# KiCad board jetson-agx-thor-baseboard.kicad_pcb (continued)
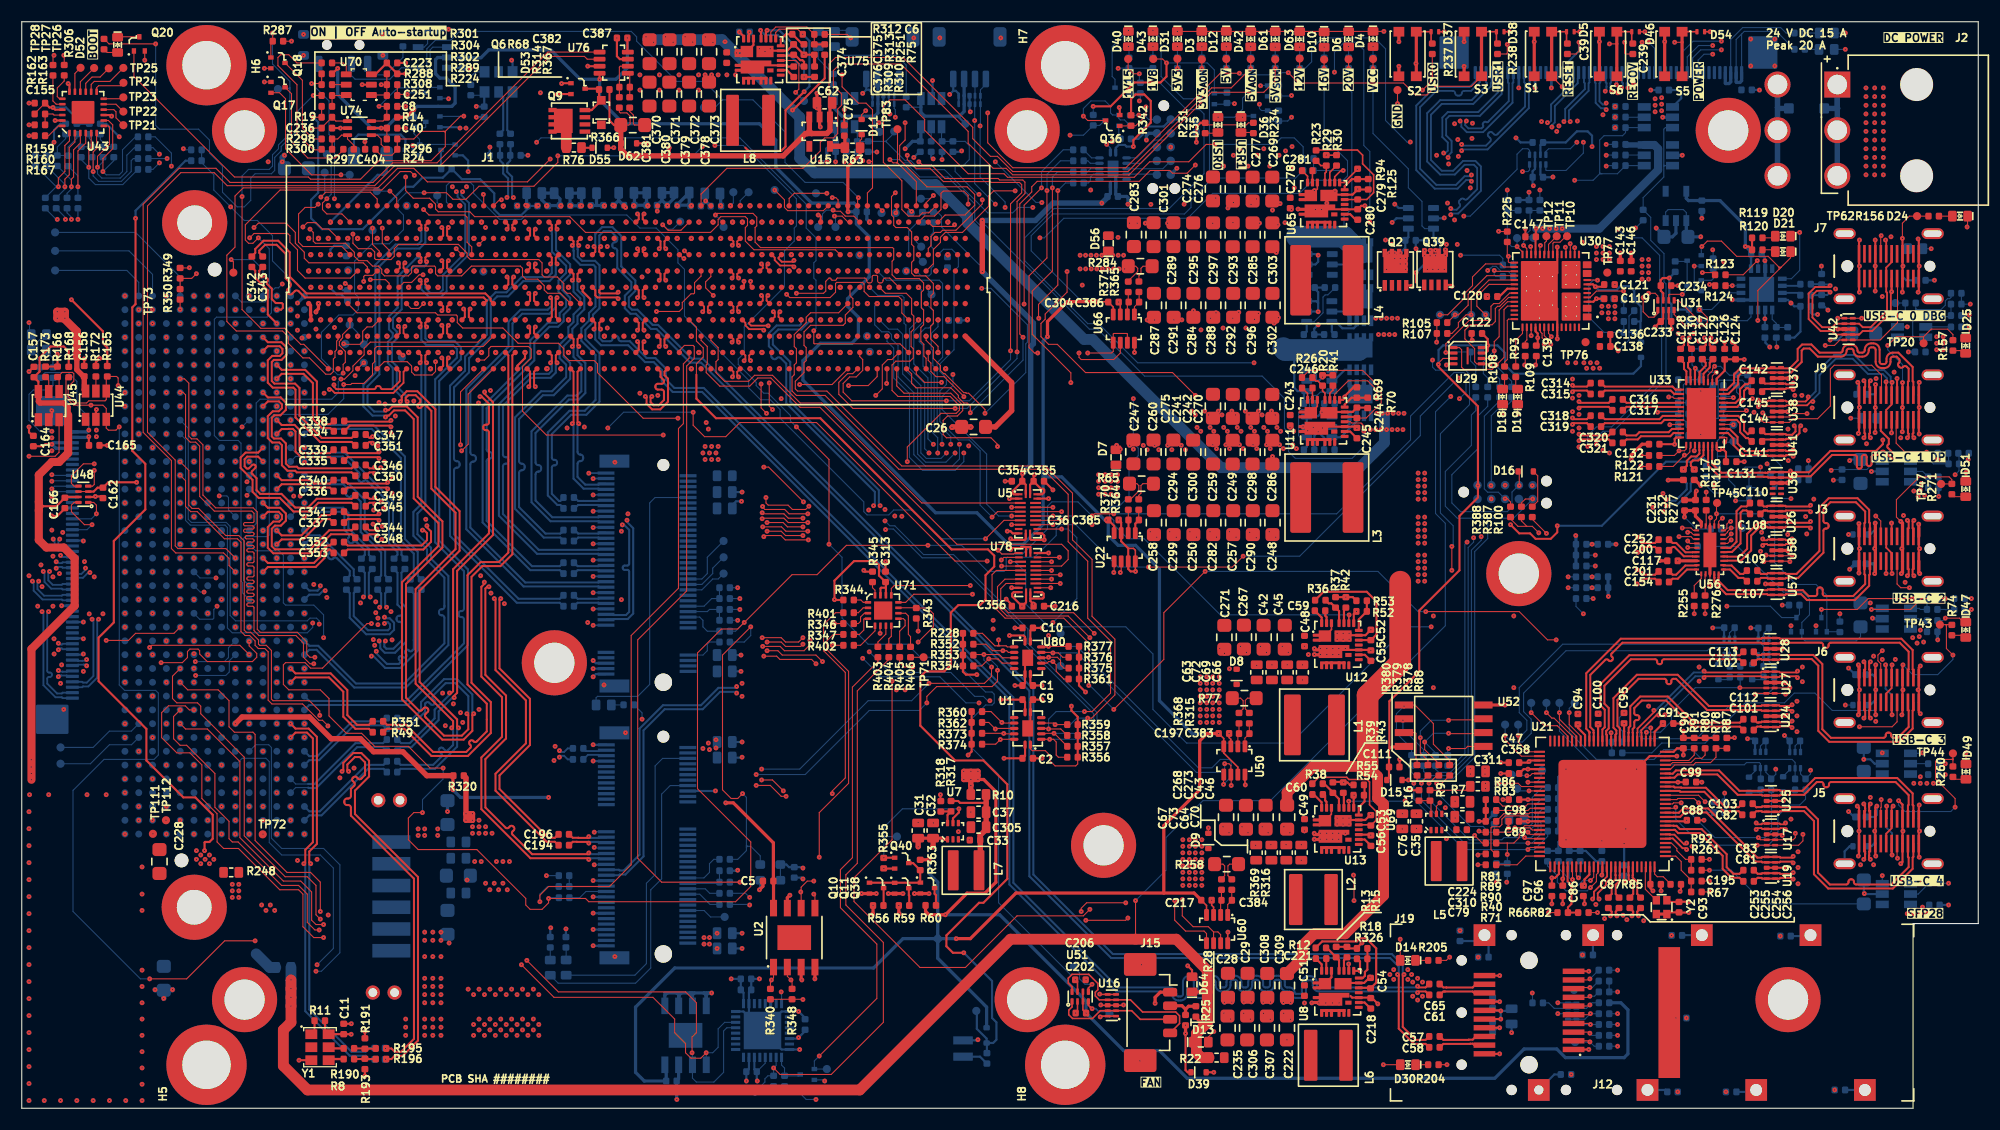
[diagram p0: board, top side]
## Routing (per net, layer and track width the routed paths; a pad name or vN(x,y) marks a point on that pad's centre or on a via; arc(x,y) is an arc through that point) (continued)
/SFP/SFI_CONN_RX_P: length 4.2
  Top w0.19: 134.45,10.53 133.7,10.53 133.49,10.75 130.93,10.75 130.92,10.75 130.79,10.75 130.47,10.44
/SFP/SFI_CONN_TX_N: length 4.2
  Top w0.19: C58.1 130.47,5.61 130.79,5.93 133.25,5.93 133.27,5.95 133.49,5.95 133.7,5.73 134.45,5.73
/SFP/SFI_CONN_TX_P: length 4.2
  Top w0.19: 134.45,6.53 133.7,6.53 133.49,6.31 133.13,6.31 133.11,6.3 130.79,6.3 130.47,6.61 C57.1
/SFP/SFP_LEDG: length 63.6
  Top w0.1: R205.1 131.07,13.61 v1(131.37,13.91) ; v1(98.27,43.31) 96.27,45.31 90.65,45.31 89.77,46.19 89.77,48.01 90.46,48.7 91.89,48.7
  In7.Cu w0.1: v1(98.27,43.31) 107.92,33.66 111.12,33.66 115.77,29.01 115.77,23.41 118.57,20.61 124.67,20.61 v1(131.37,13.91)
/SFP/SFP_LEDY: length 86.5
  Top w0.1: 91.89,48.3 90.56,48.3 90.07,47.81 90.07,46.31 90.77,45.61 96.77,45.61 v1(98.67,43.71) ; R204.1 v1(131.12,4.01)
  In7.Cu w0.1: v1(98.67,43.71) 108.3,34.08 112,34.08 117.07,29.01 117.07,22.8 118.96,20.91 125.77,20.91 132.27,14.41 134.87,14.41 137.67,11.61 139.57,11.61 140.17,11.01 140.17,7.71 138.37,5.91 133.02,5.91 v1(131.12,4.01)
/SFP/SFP_MOD_ABS: length 7.1
  Top w0.1: J12.6 144.17,9.41 v1(144.27,9.51)
  Bottom w0.1: R197.1 144.47,9.71 v1(144.27,9.51) 143.96,9.2 U73.4 140.98,9.2 140.48,9.7 R187.2
/SFP/SH: length 18.4
  Bottom w0.2: J19.SH 164.48,15.85 C178.2 ; J19.SH 140.99,3.11 C173.2 ; C176.2 134.95,15.56 J19.SH 134.02,15.39 C169.2 ; J19.SH 151.21,1.69 C175.2 ; J19.SH 152.77,15.94 C174.2 ; R200.2 159.39,1.51 J19.SH ; C179.2 J19.SH ; C177.2 144.55,15.92 J19.SH
  vias: v1(152.19,8.31)
/SoM_IO2/C2_CLK+: length 1.4
  Top w0.22: Y1.4 28.35,4.53 R8.1
/SoM_IO2/C2_CLK-: length 1.4
  Top w0.22: R190.1 28.35,5.51 Y1.5
/SoM_IO2/C2_REFCLK+: length 2
  Top w0.19: R196.1 31.6,4.53 R193.2 31.54,4.53 R8.2
/SoM_IO2/C2_REFCLK-: length 2
  Top w0.19: R190.2 31.54,5.51 R191.2 32.55,5.48 R195.1
/SoM_IO2/DP0.AUX+: length 3.2
  Top w0.19: U33.24 154.33,60.59 154.35,60.57 154.35,60.25 154.09,60 153.59,60 153.19,59.59 153.19,59.13 152.87,58.82 R117.1
  Bottom w0.19: C322.2 v1(152.87,58.81)
/SoM_IO2/DP0.AUX-: length 3.2
  Top w0.19: R116.1 153.87,58.82 153.56,59.13 153.56,59.44 153.75,59.63 154.25,59.63 154.72,60.1 154.72,60.57 154.74,60.59 U33.25
  Bottom w0.19: C323.2 v1(153.87,58.81)
/SoM_IO2/DP0.AUX_C+: length 93.4
  Top w0.19: J1.G53 v1(75.99,77.06)
  In7.Cu w0.15: v1(151.29,56.04) 151.46,55.87 151.76,55.87 152.16,56.27 152.16,56.43 arc(152.12,56.52) 152.03,56.56 151.75,56.56 arc(151.66,56.6) 151.62,56.69 151.62,56.75 arc(151.66,56.84) 151.75,56.88 152.03,56.88 arc(152.12,56.92) 152.16,57.01 152.16,57.13 arc(152.13,57.2) 152.05,57.23 arc(151.98,57.26) 151.95,57.34 151.95,57.45 arc(151.98,57.53) 152.05,57.56 arc(152.13,57.59) 152.16,57.66 152.16,57.8 147.28,62.68 147.28,63.3 142.91,67.67 90.76,67.67 89.48,68.95 89.48,71.05 86.61,73.92 85.31,73.92 84.66,74.57 77.51,74.57 77.03,75.05 77.03,75.55 76.31,76.28 76.31,76.75 v1(75.99,77.06)
  Bottom w0.19: C322.1 153.18,57.51 153.18,56.96 152.14,55.92 151.41,55.92 v1(151.29,56.04)
/SoM_IO2/DP0.AUX_C-: length 93.4
  Top w0.19: J1.G54 v1(76.89,77.06)
  In7.Cu w0.15: v1(151.29,55.44) 151.46,55.6 151.88,55.6 152.43,56.15 152.43,57.92 147.56,62.79 147.56,63.42 143.03,67.95 90.88,67.95 89.76,69.07 89.76,71.17 86.73,74.2 85.43,74.2 84.78,74.85 77.63,74.85 77.31,75.17 77.31,75.67 76.58,76.39 76.58,76.75 v1(76.89,77.06)
  Bottom w0.19: C323.1 153.55,57.51 153.55,56.8 152.3,55.55 151.41,55.55 v1(151.29,55.44)
/SoM_IO2/DP0.HPD: length 123.4
  Top w0.19: v1(73.27,82.21) 73.37,82.21 73.5,82.08 J1.K50 ; v1(136.97,53.71) 137.77,52.91 138.77,52.91 139.27,52.41 140.67,52.41 141.27,53.01 v1(141.27,53.61)
  In5.Cu w0.1: v1(136.97,53.71) 136.17,53.71 133.67,51.21 132.57,51.21 132.27,51.51 132.27,55.21 131.57,55.91 131.57,64.71 126.87,69.41 126.87,72.11 127.17,72.41 127.17,72.91 125.37,74.71 96.27,74.71 95.57,75.41 95.57,80.91 94.02,82.46 92.72,82.46 90.29,84.89 79.84,84.89 77.47,82.51 77.47,80.91 77.77,80.61 77.77,78.51 77.37,78.11 75.47,78.11 73.27,80.31 v1(73.27,82.21)
  Bottom w0.19: R118.1 154.97,59.61 154.77,59.81 153.97,59.81 153.67,59.51 151.27,59.51 145.37,53.61 v1(141.27,53.61)
/SoM_IO2/DP0.TX0+: length 7.6
  Top w0.19: U33.9 152.19,66.14 152.17,66.12 152.17,66.12 151.87,66.42 145.64,66.42 145.32,66.74 C314.1
/SoM_IO2/DP0.TX0-: length 7.6
  Top w0.19: U33.10 152.19,65.74 152.17,65.75 152.01,65.75 151.71,66.05 145.64,66.05 145.32,65.74 C315.1
/SoM_IO2/DP0.TX0_C+: length 80.4
  Top w0.19: C314.2 144.31,66.74 144,66.42 142.78,66.42 v1(142.67,66.54)
  In7.Cu w0.15: v1(74.4,72.56) 74.71,72.87 74.71,73.05 75.11,73.45 85.58,73.45 87.51,71.52 87.51,68.57 89.7,66.38 134.16,66.38 arc(134.46,66.25) 134.58,65.96 134.58,65.75 arc(134.62,65.65) 134.72,65.61 134.86,65.61 arc(134.96,65.65) 135,65.75 135,66.77 arc(135.13,67.07) 135.42,67.19 135.56,67.19 arc(135.86,67.07) 135.98,66.77 135.98,65.75 arc(136.02,65.65) 136.12,65.61 136.26,65.61 arc(136.36,65.65) 136.4,65.75 136.4,66.77 arc(136.53,67.07) 136.82,67.19 136.96,67.19 arc(137.26,67.07) 137.38,66.77 137.38,66.52 arc(137.42,66.42) 137.52,66.38 142.51,66.38 v1(142.67,66.54)
/SoM_IO2/DP0.TX0_C-: length 80.4
  Top w0.19: v1(142.67,65.94) 142.78,66.05 144,66.05 144.31,65.74 C315.2
  In7.Cu w0.15: v1(142.67,65.94) 142.51,66.1 137.52,66.1 arc(137.23,66.22) 137.1,66.52 137.1,66.77 arc(137.06,66.87) 136.96,66.92 136.82,66.92 arc(136.72,66.87) 136.68,66.77 136.68,65.75 arc(136.56,65.46) 136.26,65.34 136.12,65.34 arc(135.83,65.46) 135.7,65.75 135.7,66.77 arc(135.66,66.87) 135.56,66.92 135.42,66.92 arc(135.32,66.87) 135.28,66.77 135.28,65.75 arc(135.16,65.46) 134.86,65.34 134.72,65.34 arc(134.43,65.46) 134.3,65.75 134.3,65.96 arc(134.26,66.06) 134.16,66.1 89.58,66.1 87.23,68.45 87.23,71.4 85.46,73.17 77.85,73.17 arc(77.74,73.13) 77.69,73.01 77.69,72.97 arc(77.64,72.85) 77.53,72.81 77.45,72.81 arc(77.34,72.85) 77.29,72.97 77.29,73.01 arc(77.24,73.13) 77.13,73.17 75.23,73.17 74.99,72.93 74.99,72.87 v1(75.3,72.56)
/SoM_IO2/DP0.TX1+: length 5.5
  Top w0.19: C316.1 147.32,65.24 147.64,64.92 148.07,64.92 148.07,64.92 152.17,64.92 152.19,64.94 U33.12
/SoM_IO2/DP0.TX1-: length 5.5
  Top w0.19: C317.1 147.32,64.24 147.64,64.55 147.93,64.55 147.93,64.55 152.17,64.55 152.19,64.54 U33.13
/SoM_IO2/DP0.TX1_C+: length 82.4
  Top w0.19: C316.2 146.31,65.24 146,64.92 143.38,64.92 v1(143.27,65.04)
  In7.Cu w0.15: v1(74.4,69.56) 74.71,69.87 74.71,70.05 75.21,70.55 85.48,70.55 86.36,69.67 86.36,66.77 88.25,64.88 139.09,64.88 arc(139.39,64.75) 139.51,64.46 139.51,64.07 arc(139.55,63.97) 139.65,63.93 139.79,63.93 arc(139.9,63.97) 139.94,64.07 139.94,65.41 arc(140.06,65.7) 140.35,65.82 140.49,65.82 arc(140.79,65.7) 140.91,65.41 140.91,64.07 arc(140.95,63.97) 141.05,63.93 141.19,63.93 arc(141.3,63.97) 141.34,64.07 141.34,65.06 arc(141.46,65.35) 141.75,65.47 141.89,65.47 arc(142.19,65.35) 142.31,65.06 142.31,65.02 arc(142.35,64.92) 142.45,64.88 143.11,64.88 v1(143.27,65.04)
/SoM_IO2/DP0.TX1_C-: length 82.4
  Top w0.19: C317.2 146.31,64.24 146,64.55 143.38,64.55 v1(143.27,64.44)
  In7.Cu w0.15: v1(75.3,69.56) 74.99,69.87 74.99,69.93 75.33,70.27 77.16,70.27 arc(77.29,70.22) 77.34,70.09 77.34,70.07 arc(77.39,69.94) 77.52,69.89 77.61,69.89 arc(77.74,69.94) 77.79,70.07 77.79,70.09 arc(77.84,70.22) 77.97,70.27 85.36,70.27 86.08,69.55 86.08,66.65 88.13,64.6 139.09,64.6 arc(139.2,64.56) 139.24,64.46 139.24,64.07 arc(139.36,63.78) 139.65,63.65 139.79,63.65 arc(140.09,63.78) 140.21,64.07 140.21,65.41 arc(140.25,65.51) 140.35,65.55 140.49,65.55 arc(140.6,65.51) 140.64,65.41 140.64,64.07 arc(140.76,63.78) 141.05,63.65 141.19,63.65 arc(141.49,63.78) 141.61,64.07 141.61,65.06 arc(141.65,65.16) 141.75,65.2 141.89,65.2 arc(142,65.16) 142.04,65.06 142.04,65.02 arc(142.16,64.72) 142.45,64.6 143.11,64.6 v1(143.27,64.44)
/SoM_IO2/DP0.TX2+: length 7.6
  Top w0.19: U33.15 152.19,63.74 152.17,63.72 150.97,63.72 150.67,63.42 145.64,63.42 145.32,63.74 C318.1
/SoM_IO2/DP0.TX2-: length 7.6
  Top w0.19: C319.1 145.32,62.74 145.64,63.05 150.83,63.05 151.12,63.35 152.17,63.35 152.19,63.34 U33.16
/SoM_IO2/DP0.TX2_C+: length 80.4
  Top w0.19: v1(142.67,63.54) 142.78,63.42 144,63.42 144.31,63.74 C318.2
  In7.Cu w0.15: v1(142.67,63.54) 142.51,63.38 139.8,63.38 arc(139.51,63.25) 139.39,62.96 139.39,62.55 arc(139.34,62.45) 139.24,62.41 139.1,62.41 arc(139,62.45) 138.96,62.55 138.96,63.52 arc(138.84,63.82) 138.54,63.94 138.4,63.94 arc(138.11,63.82) 137.99,63.52 137.99,63.52 arc(137.94,63.42) 137.84,63.38 137.7,63.38 arc(137.41,63.25) 137.29,62.96 137.29,62.55 arc(137.24,62.45) 137.14,62.41 137,62.41 arc(136.9,62.45) 136.86,62.55 136.86,62.96 arc(136.74,63.25) 136.44,63.38 136.3,63.38 arc(136.01,63.25) 135.89,62.96 135.89,62.55 arc(135.84,62.45) 135.74,62.41 135.6,62.41 arc(135.5,62.45) 135.46,62.55 135.46,63.92 arc(135.34,64.22) 135.04,64.34 134.9,64.34 arc(134.61,64.22) 134.49,63.92 134.49,63.52 arc(134.44,63.42) 134.34,63.38 82.3,63.38 78.33,67.35 75.94,67.35 arc(75.83,67.39) 75.78,67.51 75.78,67.55 arc(75.73,67.67) 75.62,67.71 75.54,67.71 arc(75.43,67.67) 75.38,67.55 75.38,67.51 arc(75.33,67.39) 75.22,67.35 74.13,67.35 73.89,67.59 73.89,67.75 v1(74.2,68.06)
/SoM_IO2/DP0.TX2_C-: length 80.4
  Top w0.19: C319.2 144.31,62.74 144,63.05 142.78,63.05 v1(142.67,62.94)
  In7.Cu w0.15: v1(142.67,62.94) 142.51,63.1 139.8,63.1 arc(139.7,63.06) 139.66,62.96 139.66,62.55 arc(139.54,62.26) 139.24,62.14 139.1,62.14 arc(138.81,62.26) 138.69,62.55 138.69,63.52 arc(138.64,63.62) 138.54,63.67 138.4,63.67 arc(138.3,63.62) 138.26,63.52 138.26,63.52 arc(138.14,63.22) 137.84,63.1 137.7,63.1 arc(137.6,63.06) 137.56,62.96 137.56,62.55 arc(137.44,62.26) 137.14,62.14 137,62.14 arc(136.71,62.26) 136.59,62.55 136.59,62.96 arc(136.54,63.06) 136.44,63.1 136.3,63.1 arc(136.2,63.06) 136.16,62.96 136.16,62.55 arc(136.04,62.26) 135.74,62.14 135.6,62.14 arc(135.31,62.26) 135.19,62.55 135.19,63.92 arc(135.14,64.02) 135.04,64.07 134.9,64.07 arc(134.8,64.02) 134.76,63.92 134.76,63.52 arc(134.64,63.22) 134.34,63.1 82.18,63.1 78.21,67.07 74.01,67.07 73.61,67.47 73.61,67.75 v1(73.3,68.06)
/SoM_IO2/DP0.TX3+: length 5.7
  Top w0.19: C320.1 147.32,62.24 147.64,61.92 148.52,61.92 148.82,62.22 151.52,62.22 151.82,62.52 152.17,62.52 152.19,62.54 U33.18
/SoM_IO2/DP0.TX3-: length 5.7
  Top w0.19: C321.1 147.32,61.24 147.64,61.55 148.68,61.55 148.97,61.85 151.67,61.85 151.97,62.15 152.17,62.15 152.19,62.14 U33.19
/SoM_IO2/DP0.TX3_C+: length 82.4
  Top w0.19: C320.2 146.31,62.24 146,61.92 143.38,61.92 v1(143.27,62.04)
  In7.Cu w0.15: v1(74.2,71.06) 73.89,70.75 73.89,70.63 73.43,70.17 72.53,70.17 71.81,69.45 71.81,69.09 arc(71.85,68.97) 71.97,68.93 72.01,68.93 arc(72.13,68.88) 72.17,68.77 72.17,68.69 arc(72.13,68.57) 72.01,68.53 71.97,68.53 arc(71.85,68.48) 71.81,68.37 71.81,67.87 73.63,66.05 77.03,66.05 81.2,61.88 143.11,61.88 v1(143.27,62.04)
/SoM_IO2/DP0.TX3_C-: length 82.4
  Top w0.19: v1(143.27,61.44) 143.38,61.55 146,61.55 146.31,61.24 C321.2
  In7.Cu w0.15: v1(73.3,71.06) 73.61,70.75 73.31,70.45 72.41,70.45 71.53,69.57 71.53,67.75 73.51,65.77 76.91,65.77 81.08,61.6 143.11,61.6 v1(143.27,61.44)
/SoM_IO2/DP1.AUX_C+: length 49.4
  Top w0.19: v1(40.65,73.56) 40.77,73.45 40.77,72.83 J1.D16
  In5.Cu w0.15: v1(40.65,73.56) 40.81,73.4 40.81,69.6 37.81,66.59 37.81,65.32 34.83,62.34 34.83,44.77 34.06,44 32.24,44 31.63,43.39 31.63,42.4 32.17,41.86 v1(32.17,41.61)
  Bottom w0.19: v1(32.17,41.61) 32.36,41.61 33.44,40.53 34.85,40.53 36.43,42.11 36.43,47.38 36.75,47.7 C332.1
/SoM_IO2/DP1.AUX_C-: length 49.4
  Top w0.19: v1(41.25,73.56) 41.14,73.45 41.14,72.83 J1.D17
  In5.Cu w0.15: v1(32.62,42.06) 32.37,42.06 31.91,42.52 31.91,43.28 32.35,43.72 34.18,43.72 35.11,44.65 35.11,62.23 38.08,65.2 38.08,66.48 41.09,69.48 41.09,73.4 v1(41.25,73.56)
  Bottom w0.19: C333.1 35.75,47.7 36.06,47.38 36.06,42.27 35.89,42.09 arc(35.77,42.04) 35.66,42.09 35.59,42.16 arc(35.47,42.21) 35.36,42.16 35.3,42.1 arc(35.25,41.99) 35.3,41.87 35.37,41.8 arc(35.42,41.69) 35.37,41.57 35.31,41.51 arc(35.19,41.46) 35.08,41.51 35.01,41.58 arc(34.89,41.63) 34.78,41.58 34.72,41.53 arc(34.67,41.41) 34.72,41.29 34.79,41.22 arc(34.84,41.11) 34.79,40.99 34.69,40.9 33.6,40.9 32.62,41.87 v1(32.62,42.06)
/SoM_IO2/DP1.TX0_C+: length 112.9
  Top w0.19: J1.H49 v1(72.59,78.56)
  In7.Cu w0.15: v1(72.59,78.56) 72.28,78.25 72.28,78.14 72.48,77.95 74.01,77.95 74.57,78.51 74.57,79.51 74.37,79.71 74.37,81.01 75.17,81.81 75.17,84.22 74.21,85.17 72.29,85.17 arc(72.19,85.13) 72.15,85.03 72.15,84.83 arc(72.11,84.73) 72.01,84.69 71.94,84.69 arc(71.84,84.73) 71.8,84.83 71.8,85.03 arc(71.76,85.13) 71.66,85.17 63.93,85.17 62.31,83.55 62.31,82.65 61.61,81.95 61.61,81.37 62.41,80.57 62.41,79.62 63.21,78.82 63.21,74.47 64.31,73.37 64.31,72.3 63.21,71.2 63.21,67.02 64.99,65.23 64.99,53.89 62.48,51.38 54.46,43.35 54.46,37.61 53.42,36.57 44.71,36.57 44.31,36.97 43.62,36.97 40.78,34.14 38.86,34.14 36.79,36.2 36.79,41.09 35.43,42.45 35.43,45.15 35.13,45.45 arc(35.03,45.5) 34.93,45.45 34.65,45.18 arc(34.55,45.14) 34.45,45.18 34.4,45.23 arc(34.36,45.34) 34.4,45.44 34.67,45.71 arc(34.71,45.81) 34.67,45.91 33.81,46.77 33.63,46.77 33.39,46.53 33.39,46.29 v1(33.56,46.11)
  Bottom w0.19: C324.2 33.75,47.71 33.43,47.39 33.43,46.24 v1(33.56,46.11)
/SoM_IO2/DP1.TX0_C-: length 112.9
  Top w0.19: J1.H48 v1(71.69,78.56)
  In7.Cu w0.15: v1(71.69,78.56) 72.01,78.25 72.01,78.03 72.36,77.67 74.12,77.67 74.84,78.4 74.84,79.62 74.64,79.82 74.64,80.9 75.44,81.7 75.44,84.33 74.33,85.45 63.81,85.45 62.03,83.67 62.03,82.77 61.33,82.07 61.33,81.25 62.13,80.45 62.13,79.5 62.93,78.7 62.93,74.35 64.03,73.25 64.03,72.42 62.93,71.32 62.93,66.9 64.72,65.12 64.72,54 62.18,51.47 54.18,43.47 54.18,37.72 53.31,36.85 44.83,36.85 44.43,37.25 43.51,37.25 40.67,34.41 38.97,34.41 37.07,36.31 37.07,41.2 35.71,42.57 35.71,45.27 33.93,47.05 33.51,47.05 33.11,46.65 33.11,46.29 v1(32.93,46.11)
  Bottom w0.19: C328.2 32.75,47.71 33.06,47.39 33.06,46.24 v1(32.93,46.11)
/SoM_IO2/DP1.TX1_C+: length 121.1
  Top w0.19: J1.G51 v1(74.19,77.06)
  In7.Cu w0.15: v1(74.19,77.06) 73.88,76.75 73.88,76.5 73.4,76.02 69.44,76.02 68.96,76.5 68.96,77.39 69.91,78.34 69.91,78.92 70.44,79.45 72.84,79.45 73.68,80.29 73.68,83.4 73.31,83.77 68.18,83.77 arc(68.08,83.73) 68.04,83.63 68.04,83.29 arc(68,83.19) 67.9,83.15 67.83,83.15 arc(67.73,83.19) 67.69,83.29 67.69,83.63 arc(67.65,83.73) 67.55,83.77 64.15,83.77 63.16,82.78 63.16,80.52 64.31,79.37 64.31,77.85 63.91,77.45 63.91,76.82 64.31,76.42 64.31,75.07 65.01,74.37 65.01,73.6 64.86,73.45 64.86,72.42 65.11,72.17 65.11,70.85 64.76,70.5 64.76,69.12 65.16,68.72 65.16,67.95 64.96,67.75 64.96,66.57 65.78,65.74 65.78,52.38 55.46,42.05 55.46,37.49 53.6,35.64 43.4,35.64 41.11,33.35 38.53,33.35 36,35.87 36,39.28 34.13,41.15 34.13,42.37 34.53,42.77 34.53,43.95 34.32,44.17 arc(34.22,44.21) 34.11,44.17 33.93,43.98 arc(33.83,43.94) 33.73,43.98 33.67,44.03 arc(33.63,44.13) 33.67,44.24 33.86,44.42 arc(33.9,44.52) 33.86,44.63 33.71,44.77 33.52,44.77 v1(33.37,44.62)
  Bottom w0.19: C325.2 30.54,47.42 30.54,45.3 31.85,44 33.69,44 33.88,44.19 33.88,44.53 33.69,44.73 33.47,44.73 v1(33.37,44.62)
/SoM_IO2/DP1.TX1_C-: length 121.1
  Top w0.19: J1.G50 v1(73.29,77.06)
  In7.Cu w0.15: v1(73.29,77.06) 73.61,76.75 73.61,76.62 73.29,76.3 71.59,76.3 arc(71.45,76.36) 71.39,76.5 arc(71.33,76.64) 71.19,76.7 70.99,76.7 arc(70.85,76.64) 70.79,76.5 arc(70.73,76.36) 70.59,76.3 69.55,76.3 69.23,76.62 69.23,77.28 70.18,78.23 70.18,78.8 70.55,79.17 72.95,79.17 73.96,80.18 73.96,83.52 73.43,84.05 64.04,84.05 62.88,82.89 62.88,80.4 64.03,79.25 64.03,77.97 63.63,77.57 63.63,76.7 64.03,76.3 64.03,74.95 64.73,74.25 64.73,73.72 64.58,73.57 64.58,72.3 64.83,72.05 64.83,70.97 64.48,70.62 64.48,69 64.88,68.6 64.88,68.07 64.68,67.87 64.68,66.45 65.51,65.63 65.51,52.49 55.18,42.17 55.18,37.61 53.49,35.91 43.29,35.91 41,33.62 38.64,33.62 36.28,35.98 36.28,39.39 34.41,41.27 34.41,42.25 34.81,42.65 34.81,44.07 33.83,45.05 33.52,45.05 v1(33.37,45.2)
  Bottom w0.19: v1(33.37,45.2) 33.47,45.1 33.85,45.1 34.25,44.69 34.25,44.03 33.85,43.63 31.69,43.63 30.17,45.14 30.17,47.42 C329.2
/SoM_IO2/DP1.TX2_C+: length 111
  Top w0.19: J1.J47 v1(70.59,80.06)
  In7.Cu w0.15: v1(70.59,80.06) 70.91,80.37 70.91,80.54 71.31,80.95 72.61,80.95 72.83,81.17 72.83,81.65 72.21,82.27 65.13,82.27 64.61,81.75 64.61,81.17 65.11,80.67 65.11,79.75 64.96,79.6 64.96,78.37 65.21,78.12 65.21,76.85 64.91,76.55 64.91,75.47 65.23,75.15 65.93,75.15 66.51,74.57 66.51,73.97 66.71,73.77 66.71,72.5 66.56,72.35 66.56,70.87 66.81,70.62 66.81,69.9 66.06,69.15 66.06,68.22 67.01,67.27 67.01,66.1 66.59,65.69 66.59,64.63 66.61,64.62 66.61,59.37 67.01,58.97 67.01,51.45 59.52,43.97 59.42,43.87 arc(59.38,43.77) 59.42,43.67 59.62,43.48 arc(59.74,43.18) 59.62,42.89 59.52,42.79 arc(59.22,42.67) 58.93,42.79 58.25,43.46 arc(58.15,43.5) 58.05,43.46 57.95,43.36 arc(57.91,43.26) 57.95,43.16 58.63,42.49 arc(58.75,42.19) 58.63,41.9 58.53,41.8 arc(58.23,41.68) 57.94,41.8 57.74,41.99 arc(57.64,42.03) 57.54,41.99 56.74,41.19 56.74,37.63 53.94,34.83 43.74,34.83 41.45,32.54 38.19,32.54 35.19,35.53 35.19,38.79 33.03,40.95 33.03,42.86 v1(32.88,43.01)
  Bottom w0.19: C326.2 35.25,49.61 34.93,49.29 34.93,46.51 35.35,46.09 35.35,42.93 34.35,41.93 33.39,41.93 32.98,42.33 32.98,42.91 v1(32.88,43.01)
/SoM_IO2/DP1.TX2_C-: length 110.9
  Top w0.19: J1.J48 v1(71.49,80.06)
  In7.Cu w0.15: v1(33.46,43.01) 33.31,42.86 33.31,41.07 35.47,38.9 35.47,35.65 38.31,32.81 41.33,32.81 43.62,35.1 48.9,35.1 arc(48.99,35.14) 49.03,35.23 arc(49.07,35.31) 49.15,35.35 49.45,35.35 arc(49.54,35.31) 49.58,35.23 arc(49.62,35.14) 49.7,35.1 50,35.1 arc(50.09,35.14) 50.13,35.23 arc(50.17,35.31) 50.25,35.35 50.55,35.35 arc(50.64,35.31) 50.68,35.23 arc(50.72,35.14) 50.8,35.1 53.82,35.1 56.47,37.75 56.47,41.3 57.35,42.18 arc(57.64,42.31) 57.94,42.18 58.13,41.99 arc(58.23,41.95) 58.33,41.99 58.43,42.09 arc(58.47,42.19) 58.43,42.29 57.76,42.97 arc(57.64,43.26) 57.76,43.56 57.86,43.65 arc(58.15,43.78) 58.45,43.65 59.12,42.98 arc(59.22,42.94) 59.32,42.98 59.42,43.08 arc(59.46,43.18) 59.42,43.28 59.23,43.47 arc(59.11,43.77) 59.23,44.06 66.73,51.57 66.73,58.85 66.33,59.25 66.33,64.51 66.32,64.52 66.32,65.8 66.73,66.22 66.73,67.15 65.78,68.1 65.78,69.27 66.53,70.02 66.53,70.5 66.28,70.75 66.28,72.47 66.43,72.62 66.43,73.65 66.23,73.85 66.23,74.45 65.81,74.87 65.11,74.87 64.63,75.35 64.63,76.67 64.93,76.97 64.93,78 64.68,78.25 64.68,79.72 64.83,79.87 64.83,80.55 64.33,81.05 64.33,81.87 65.01,82.55 72.33,82.55 73.11,81.77 73.11,81.05 72.73,80.67 71.43,80.67 71.18,80.43 71.18,80.37 v1(71.49,80.06)
  Bottom w0.19: C330.2 34.25,49.61 34.56,49.29 34.56,46.35 34.98,45.93 34.98,45.54 arc(34.92,45.39) 34.76,45.32 34.7,45.32 arc(34.55,45.26) 34.48,45.1 34.48,44.99 arc(34.55,44.84) 34.7,44.77 34.76,44.77 arc(34.92,44.71) 34.98,44.55 34.98,43.09 34.19,42.3 33.55,42.3 33.35,42.49 33.35,42.91 v1(33.46,43.01)
/SoM_IO2/DP1.TX3_C+: length 117.3
  Top w0.19: J1.K46 v1(69.89,81.56)
  In7.Cu w0.15: v1(32.06,47.06) 31.89,46.88 31.89,45.73 31.61,45.45 31.61,41.47 34.72,38.36 34.72,35.34 38,32.06 41.64,32.06 43.93,34.35 54.78,34.35 55.23,33.9 56.31,33.9 58.22,35.8 arc(58.51,35.93) 58.8,35.8 59.18,35.43 arc(59.28,35.39) 59.38,35.43 59.48,35.52 arc(59.52,35.62) 59.48,35.72 58.33,36.87 arc(58.21,37.16) 58.33,37.45 58.43,37.55 arc(58.72,37.67) 59.01,37.55 60.16,36.4 arc(60.26,36.36) 60.35,36.4 60.45,36.5 arc(60.49,36.6) 60.45,36.7 60.07,37.07 arc(59.95,37.37) 60.07,37.66 63.43,41.02 arc(63.55,41.31) 63.85,41.43 64.38,41.43 arc(64.48,41.47) 64.52,41.57 64.52,41.71 arc(64.48,41.8) 64.38,41.85 62.76,41.85 arc(62.47,41.97) 62.35,42.26 62.35,42.4 arc(62.47,42.69) 62.76,42.81 64.38,42.81 arc(64.48,42.85) 64.52,42.95 64.52,43.09 arc(64.48,43.18) 64.38,43.23 62.76,43.23 arc(62.47,43.35) 62.35,43.64 62.35,43.78 arc(62.47,44.07) 62.76,44.19 64.38,44.19 arc(64.48,44.23) 64.52,44.33 64.52,44.47 arc(64.48,44.56) 64.38,44.61 62.76,44.61 arc(62.47,44.73) 62.35,45.02 62.35,45.16 arc(62.47,45.45) 62.76,45.57 63.29,45.57 arc(63.39,45.61) 63.43,45.71 63.43,46.67 64.76,47.99 64.76,48.3 65,48.54 65.31,48.54 67.43,50.67 67.43,64.77 70.23,67.57 70.23,68.45 67.23,71.45 67.23,73.27 67.63,73.67 67.63,74.05 67.23,74.45 67.23,75.67 67.63,76.07 67.63,77.15 66.63,78.15 66.63,79.35 66.23,79.75 66.23,80.57 66.61,80.95 68.19,80.95 arc(68.3,80.99) 68.35,81.11 68.35,81.14 arc(68.4,81.25) 68.51,81.3 68.59,81.3 arc(68.7,81.25) 68.75,81.14 68.75,81.11 arc(68.8,80.99) 68.91,80.95 68.99,80.95 arc(69.08,80.98) 69.11,81.07 arc(69.15,81.16) 69.24,81.2 69.39,81.2 arc(69.48,81.16) 69.51,81.07 arc(69.55,80.98) 69.64,80.95 69.91,80.95 70.21,81.24 70.21,81.25 v1(69.89,81.56)
  Bottom w0.19: C327.2 32.25,49.61 31.93,49.29 31.93,47.19 v1(32.06,47.06)
/SoM_IO2/DP1.TX3_C-: length 117.4
  Top w0.19: J1.K47 v1(70.79,81.56)
  In7.Cu w0.15: v1(31.43,47.06) 31.61,46.88 31.61,45.85 31.33,45.57 31.33,41.35 34.44,38.24 34.44,35.22 37.88,31.78 41.76,31.78 44.05,34.07 54.66,34.07 55.11,33.62 56.43,33.62 58.41,35.61 arc(58.51,35.65) 58.61,35.61 58.99,35.23 arc(59.28,35.11) 59.57,35.23 59.67,35.33 arc(59.79,35.62) 59.67,35.92 58.52,37.06 arc(58.48,37.16) 58.52,37.26 58.62,37.35 arc(58.72,37.39) 58.82,37.35 59.96,36.21 arc(60.26,36.09) 60.55,36.21 60.65,36.31 arc(60.77,36.6) 60.65,36.89 60.27,37.27 arc(60.23,37.37) 60.27,37.46 63.71,40.9 63.71,41.02 arc(63.75,41.11) 63.85,41.16 64.38,41.16 arc(64.67,41.28) 64.79,41.57 64.79,41.71 arc(64.67,42) 64.38,42.12 62.76,42.12 arc(62.66,42.16) 62.62,42.26 62.62,42.4 arc(62.66,42.49) 62.76,42.54 64.38,42.54 arc(64.67,42.66) 64.79,42.95 64.79,43.09 arc(64.67,43.38) 64.38,43.5 62.76,43.5 arc(62.66,43.54) 62.62,43.64 62.62,43.78 arc(62.66,43.87) 62.76,43.92 64.38,43.92 arc(64.67,44.04) 64.79,44.33 64.79,44.47 arc(64.67,44.76) 64.38,44.88 62.76,44.88 arc(62.66,44.92) 62.62,45.02 62.62,45.16 arc(62.66,45.25) 62.76,45.3 63.29,45.3 arc(63.59,45.42) 63.71,45.71 63.71,46.55 67.71,50.55 67.71,64.65 70.51,67.45 70.51,68.57 67.51,71.57 67.51,73.15 67.91,73.55 67.91,74.17 67.51,74.57 67.51,75.55 67.91,75.95 67.91,77.27 66.91,78.27 66.91,79.47 66.51,79.87 66.51,80.45 66.73,80.67 70.03,80.67 70.48,81.13 70.48,81.25 v1(70.79,81.56)
  Bottom w0.19: C331.2 31.25,49.61 31.56,49.29 31.56,47.19 v1(31.43,47.06)
/SoM_IO2/DP2.AUX_C+: length 26.9
  Top w0.19: C342.1 21.17,78.42 21.48,78.73 21.48,79.09 22.24,79.85 23.6,79.85 24.65,78.79 24.65,76.54 26.2,75 42.65,75 43.14,74.51 43.14,74.33 J1.E19
/SoM_IO2/DP2.AUX_C-: length 26.9
  Top w0.19: J1.E18 42.77,74.33 42.77,74.35 42.49,74.63 26.04,74.63 25.46,75.21 arc(25.29,75.28) 25.12,75.21 24.88,74.97 arc(24.71,74.9) 24.54,74.97 24.46,75.05 arc(24.39,75.22) 24.46,75.39 24.7,75.63 arc(24.77,75.8) 24.7,75.97 24.28,76.38 24.28,78.63 23.44,79.48 22.4,79.48 21.85,78.93 21.85,78.73 22.17,78.42 C343.1
/SoM_IO2/DP2.TX0_C+: length 34.3
  Top w0.19: v1(33.97,62.71) 33.85,62.83 30.18,62.83 C334.2 ; v1(39.25,69.06) 39.14,68.95 39.14,68.33 J1.A15
  In7.Cu w0.15: v1(39.25,69.06) 39.09,68.9 39.09,68.23 38.18,67.32 35.78,67.32 35.36,66.9 35.36,66.62 35.53,66.45 38.63,66.45 39.09,65.99 39.09,65.13 38.65,64.7 arc(38.62,64.61) 38.65,64.53 39.54,63.64 arc(39.66,63.36) 39.54,63.08 39.45,62.98 arc(39.17,62.87) 38.89,62.98 36.99,64.88 arc(36.9,64.92) 36.82,64.88 36.73,64.79 arc(36.69,64.7) 36.73,64.62 38.62,62.72 arc(38.74,62.44) 38.62,62.16 38.53,62.06 arc(38.25,61.95) 37.97,62.06 37.08,62.95 arc(36.99,62.99) 36.91,62.95 36.83,62.87 36.04,62.87 arc(35.95,62.84) 35.92,62.75 35.92,61.49 arc(35.8,61.21) 35.52,61.1 35.39,61.1 arc(35.11,61.21) 34.99,61.49 34.99,62.75 arc(34.96,62.84) 34.87,62.87 34.13,62.87 v1(33.97,62.71)
/SoM_IO2/DP2.TX0_C-: length 34.3
  Top w0.19: v1(33.97,63.31) 33.85,63.2 29.78,63.2 29.67,63.31 ; J1.A14 38.77,68.33 38.77,68.95 v1(38.65,69.06)
  In7.Cu w0.15: v1(33.97,63.31) 34.13,63.15 34.87,63.15 arc(35.15,63.03) 35.27,62.75 35.27,61.49 arc(35.3,61.41) 35.39,61.37 35.52,61.37 arc(35.61,61.41) 35.64,61.49 35.64,62.75 arc(35.76,63.03) 36.04,63.15 36.71,63.15 arc(36.99,63.26) 37.27,63.15 38.16,62.26 arc(38.25,62.22) 38.34,62.26 38.43,62.35 arc(38.46,62.44) 38.43,62.52 36.53,64.42 arc(36.41,64.7) 36.53,64.98 36.62,65.08 arc(36.9,65.19) 37.19,65.08 39.08,63.18 arc(39.17,63.14) 39.26,63.18 39.35,63.27 arc(39.38,63.36) 39.35,63.44 38.46,64.33 arc(38.34,64.61) 38.46,64.89 38.81,65.25 38.81,65.87 38.51,66.17 35.41,66.17 35.08,66.5 35.08,67.02 35.66,67.6 38.06,67.6 38.3,67.83 arc(38.33,67.91) 38.3,67.99 38.17,68.12 arc(38.13,68.2) 38.17,68.27 38.21,68.31 arc(38.28,68.35) 38.36,68.31 38.49,68.18 arc(38.57,68.15) 38.65,68.18 38.81,68.35 38.81,68.9 v1(38.65,69.06)
/SoM_IO2/DP2.TX1_C+: length 35.7
  Top w0.19: v1(38.65,81.06) 38.77,80.95 38.77,80.33 J1.J14 ; C335.2 29.67,59.61 29.99,59.93 32.75,59.93 v1(32.87,59.81)
  In7.Cu w0.15: v1(32.87,59.81) 33.03,59.97 33.33,59.97 33.76,60.4 33.76,60.97 33.01,61.72 33.01,62.17 31.41,63.77 31.41,66.95 33.11,68.65 33.11,74.55 36.21,77.65 36.21,78.15 37.13,79.07 38.53,79.07 40.41,80.95 40.41,81.97 39.93,82.45 39.31,82.45 38.81,81.95 38.81,81.22 v1(38.65,81.06)
/SoM_IO2/DP2.TX1_C-: length 35.7
  Top w0.19: v1(39.25,81.07) 39.25,81.06 39.14,80.95 39.14,80.33 J1.J15 ; v1(32.87,60.41) 32.75,60.3 29.99,60.3 29.67,60.61 C339.2
  In7.Cu w0.15: v1(32.87,60.41) 33.03,60.25 33.21,60.25 33.48,60.52 33.48,60.85 32.73,61.6 32.73,62.05 32.07,62.71 31.82,62.71 31.6,62.93 31.6,63.19 31.13,63.65 31.13,67.07 32.83,68.77 32.83,74.67 35.93,77.77 35.93,78.27 37.01,79.35 38.41,79.35 38.72,79.65 arc(38.76,79.76) 38.72,79.88 38.41,80.18 arc(38.37,80.3) 38.41,80.41 38.47,80.46 arc(38.58,80.51) 38.7,80.46 39,80.16 arc(39.11,80.11) 39.23,80.16 40.13,81.07 40.13,81.85 39.81,82.17 39.43,82.17 39.09,81.83 39.09,81.22 39.24,81.07 v1(39.25,81.07)